# Altium PCB Slave.PcbDoc (part 6 of 10)
Units mm, origin at the board's own origin, x right, y up, seen from the top; angles counter-clockwise.
Board outline 380 x 63 mm, 4 copper layers (Top Copper, Signal Layer 1, Signal Layer 2, Bottom Copper), stack 1.586 mm thick; 259 components, 195 nets, 816 pads, 23336 vias.
Unrouted connection lines stored in the file: 47.
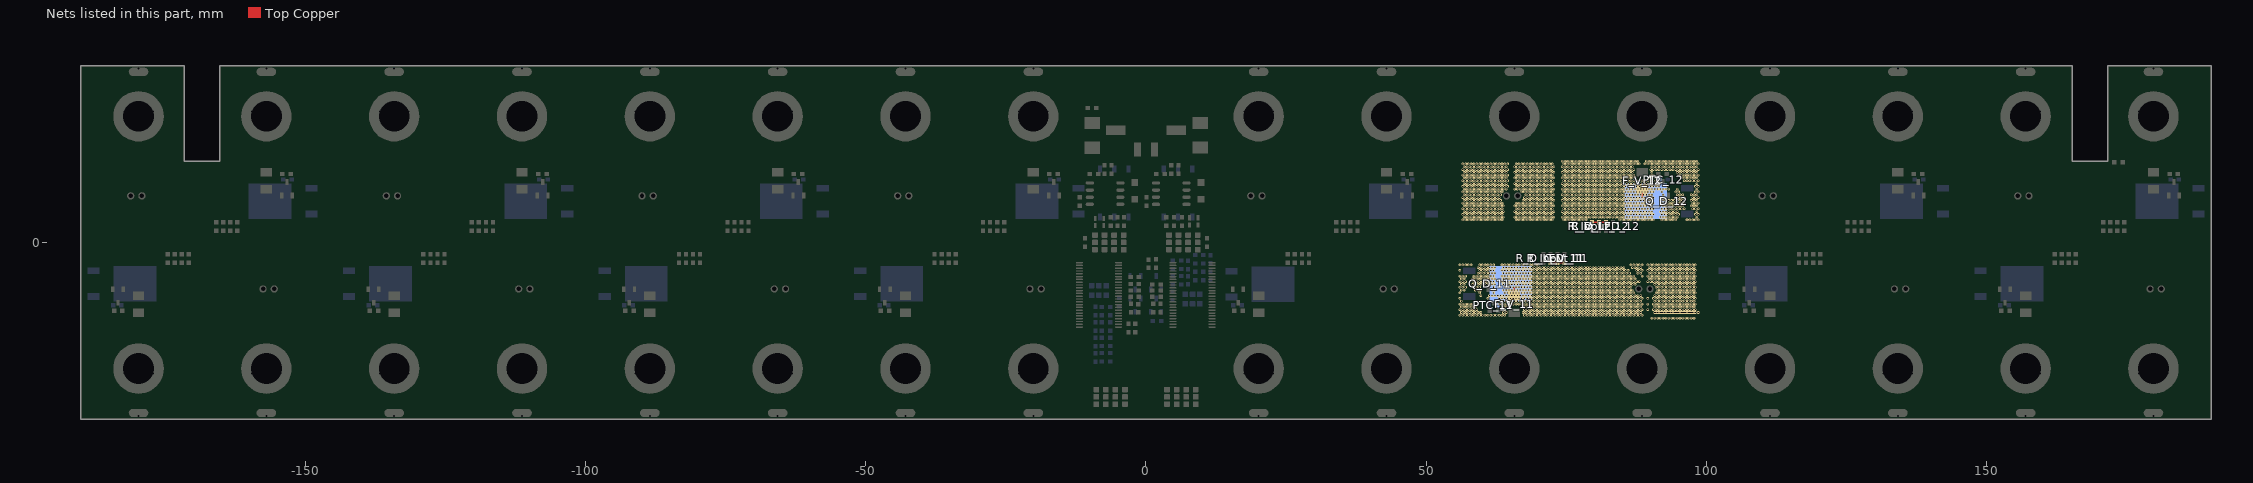
[diagram p8: the nets of this part, all layers, seen from the top]

## Via types
v1: diameter 0.45, hole 0.2, Top Copper to Bottom Copper, tented both sides, 23076 vias
v2: diameter 0.45, hole 0.2, Top Copper to Bottom Copper, 250 vias
v3: diameter 1.2, hole 0.8, Top Copper to Bottom Copper, 10 vias

## Nets (pads, with @x,y where several pads share a name; then routed paths per layer and width w, separated by ;. In a path a pad name is that pad's centre, name@x,y a point inside that pad or via, vN(x,y) a via of type N, cw(c..) or ccw(c..) an arc to the next point about the centre after c; other vN are vias at no path point) (continued)
F_11: C_V_11.2 F_V_11.2 PTC_11.2 Q_D_11.2 R_D_LED_11.2 R_Input_11.1 | length 3.9
  Top Copper w0.254: R_D_LED_11.2@72.15,-3.6 R_Input_11.1@73.4,-3.6 C_V_11.2@74.65,-3.6
  Top Copper w0.305: F_V_11.2@65.675,-9.48 v1@65.675,-8.1
  other v1: 90.249,-13.5 90.749,-13.5 91.249,-13.5 91.749,-13.5 92.249,-13.5 92.749,-13.5 93.249,-13.5 93.749,-13.5 94.249,-13.5 94.749,-13.5 95.249,-13.5 95.749,-13.5 96.249,-13.5 96.749,-13.5 97.249,-13.5 97.749,-13.5 55.999,-13 56.499,-13 56.999,-13 57.499,-13 57.999,-13 58.499,-13 58.999,-13 59.499,-13 59.999,-13 60.499,-13 60.999,-13 61.499,-13 61.999,-13 62.499,-13 62.999,-13 63.499,-13 63.999,-13 67.499,-13 67.999,-13 68.499,-13 68.999,-13 69.499,-13 69.999,-13 70.499,-13 70.999,-13 71.499,-13 71.999,-13 72.499,-13 72.999,-13 73.499,-13 73.999,-13 74.499,-13 74.999,-13 75.499,-13 75.999,-13 76.499,-13 76.999,-13 77.499,-13 77.999,-13 78.499,-13 78.999,-13 79.499,-13 79.999,-13 80.499,-13 80.999,-13 81.499,-13 81.999,-13 82.499,-13 82.999,-13 83.499,-13 83.999,-13 84.499,-13 84.999,-13 85.499,-13 85.999,-13 86.499,-13 86.999,-13 87.499,-13 87.999,-13 88.499,-13 56.249,-12.5 56.749,-12.5 57.249,-12.5 57.749,-12.5 58.249,-12.5 58.749,-12.5 59.249,-12.5 59.749,-12.5 63.749,-12.5 64.249,-12.5 67.249,-12.5 67.749,-12.5 68.249,-12.5 68.749,-12.5 69.249,-12.5 69.749,-12.5 70.249,-12.5 70.749,-12.5 71.249,-12.5 71.749,-12.5 72.249,-12.5 72.749,-12.5 73.249,-12.5 73.749,-12.5 74.249,-12.5 74.749,-12.5 75.249,-12.5 75.749,-12.5 76.249,-12.5 76.749,-12.5 77.249,-12.5 77.749,-12.5 78.249,-12.5 78.749,-12.5 79.249,-12.5 79.749,-12.5 80.249,-12.5 80.749,-12.5 81.249,-12.5 81.749,-12.5 82.249,-12.5 82.749,-12.5 83.249,-12.5 83.749,-12.5 84.249,-12.5 84.749,-12.5 85.249,-12.5 85.749,-12.5 86.249,-12.5 86.749,-12.5 87.249,-12.5 87.749,-12.5 88.249,-12.5 90.749,-12.5 91,-12.5 91.249,-12.5 91.5,-12.5 91.749,-12.5 92,-12.5 92.249,-12.5 92.5,-12.5 92.749,-12.5 93,-12.5 93.249,-12.5 93.5,-12.5 93.749,-12.5 94,-12.5 94.249,-12.5 94.5,-12.5 94.749,-12.5 95,-12.5 95.249,-12.5 95.5,-12.5 95.749,-12.5 96,-12.5 96.249,-12.5 96.5,-12.5 96.749,-12.5 97,-12.5 97.249,-12.5 97.5,-12.5 97.749,-12.5 98,-12.5 98.5,-12.5 55.999,-12 56.499,-12 56.999,-12 57.499,-12 57.999,-12 58.499,-12 58.999,-12 63.999,-12 67.499,-12 67.999,-12 68.499,-12 68.999,-12 69.499,-12 69.999,-12 70.499,-12 70.999,-12 71.499,-12 71.999,-12 72.499,-12 72.999,-12 73.499,-12 73.999,-12 74.499,-12 74.999,-12 75.499,-12 75.999,-12 76.499,-12 76.999,-12 77.499,-12 77.999,-12 78.499,-12 78.999,-12 79.499,-12 79.999,-12 80.499,-12 80.999,-12 81.499,-12 81.999,-12 82.499,-12 82.999,-12 83.499,-12 83.999,-12 84.499,-12 84.999,-12 85.499,-12 85.999,-12 86.499,-12 86.999,-12 87.499,-12 87.999,-12 88.499,-12 89.499,-12 90.499,-12 90.999,-12 91.499,-12 91.999,-12 92.499,-12 92.999,-12 93.499,-12 93.999,-12 94.499,-12 94.999,-12 95.499,-12 95.999,-12 96.499,-12 96.999,-12 97.499,-12 97.999,-12 56.249,-11.5 56.749,-11.5 57.249,-11.5 57.749,-11.5 58.249,-11.5 58.749,-11.5 63.749,-11.5 64.249,-11.5 67.249,-11.5 67.749,-11.5 68.249,-11.5 68.749,-11.5 69.249,-11.5 69.749,-11.5 70.249,-11.5 70.749,-11.5 71.249,-11.5 71.749,-11.5 72.249,-11.5 72.749,-11.5 73.249,-11.5 73.749,-11.5 74.249,-11.5 74.749,-11.5 75.249,-11.5 75.749,-11.5 76.249,-11.5 76.749,-11.5 77.249,-11.5 77.749,-11.5 78.249,-11.5 78.749,-11.5 79.249,-11.5 79.749,-11.5 80.249,-11.5 80.749,-11.5 81.249,-11.5 81.749,-11.5 82.249,-11.5 82.749,-11.5 83.249,-11.5 83.749,-11.5 84.249,-11.5 84.749,-11.5 85.249,-11.5 85.749,-11.5 86.249,-11.5 86.749,-11.5 87.249,-11.5 87.749,-11.5 88.249,-11.5 90.749,-11.5 91.249,-11.5 91.749,-11.5 92.249,-11.5 92.749,-11.5 93.249,-11.5 93.749,-11.5 94.249,-11.5 94.749,-11.5 95.249,-11.5 95.749,-11.5 96.249,-11.5 96.749,-11.5 97.249,-11.5 97.749,-11.5 55.999,-11 56.499,-11 56.999,-11 57.499,-11 57.999,-11 62.999,-11 63.499,-11 63.999,-11 64.499,-11 64.999,-11 65.499,-11 65.999,-11 66.499,-11 66.999,-11 67.499,-11 67.999,-11 68.499,-11 68.999,-11 69.499,-11 69.999,-11 70.499,-11 70.999,-11 71.499,-11 71.999,-11 72.499,-11 72.999,-11 73.499,-11 73.999,-11 74.499,-11 74.999,-11 75.499,-11 75.999,-11 76.499,-11 76.999,-11 77.499,-11 77.999,-11 78.499,-11 78.999,-11 79.499,-11 79.999,-11 80.499,-11 80.999,-11 81.499,-11 81.999,-11 82.499,-11 82.999,-11 83.499,-11 83.999,-11 84.499,-11 84.999,-11 85.499,-11 85.999,-11 86.499,-11 86.999,-11 87.499,-11 87.999,-11 88.499,-11 89.499,-11 90.499,-11 90.999,-11 91.499,-11 91.999,-11 92.499,-11 92.999,-11 93.499,-11 93.999,-11 94.499,-11 94.999,-11 95.499,-11 95.999,-11 96.499,-11 96.999,-11 97.499,-11 97.999,-11 56.249,-10.5 62.749,-10.5 63.249,-10.5 63.749,-10.5 64.249,-10.5 64.749,-10.5 65.249,-10.5 65.749,-10.5 66.249,-10.5 66.749,-10.5 67.249,-10.5 67.749,-10.5 68.249,-10.5 68.749,-10.5 69.249,-10.5 69.749,-10.5 70.249,-10.5 70.749,-10.5 71.249,-10.5 71.749,-10.5 72.249,-10.5 72.749,-10.5 73.249,-10.5 73.749,-10.5 74.249,-10.5 74.749,-10.5 75.249,-10.5 75.749,-10.5 76.249,-10.5 76.749,-10.5 77.249,-10.5 77.749,-10.5 78.249,-10.5 78.749,-10.5 79.249,-10.5 79.749,-10.5 80.249,-10.5 80.749,-10.5 81.249,-10.5 81.749,-10.5 82.249,-10.5 82.749,-10.5 83.249,-10.5 83.749,-10.5 84.249,-10.5 84.749,-10.5 85.249,-10.5 85.749,-10.5 86.249,-10.5 86.749,-10.5 87.249,-10.5 87.749,-10.5 88.249,-10.5 90.749,-10.5 91.249,-10.5 91.749,-10.5 92.249,-10.5 92.749,-10.5 93.249,-10.5 93.749,-10.5 94.249,-10.5 94.749,-10.5 95.249,-10.5 95.749,-10.5 96.249,-10.5 96.749,-10.5 97.249,-10.5 97.749,-10.5 55.999,-10 60.999,-10 62.999,-10 63.499,-10 63.999,-10 64.499,-10 64.999,-10 65.499,-10 65.999,-10 66.499,-10 66.999,-10 67.499,-10 67.999,-10 68.499,-10 68.999,-10 69.499,-10 69.999,-10 70.499,-10 70.999,-10 71.499,-10 71.999,-10 72.499,-10 72.999,-10 73.499,-10 73.999,-10 74.499,-10 74.999,-10 75.499,-10 75.999,-10 76.499,-10 76.999,-10 77.499,-10 77.999,-10 78.499,-10 78.999,-10 79.499,-10 79.999,-10 80.499,-10 80.999,-10 81.499,-10 81.999,-10 82.499,-10 82.999,-10 83.499,-10 83.999,-10 84.499,-10 84.999,-10 85.499,-10 85.999,-10 86.499,-10 86.999,-10 87.499,-10 87.999,-10 88.499,-10 89.499,-10 90.499,-10 90.999,-10 91.499,-10 91.999,-10 92.499,-10 92.999,-10 93.499,-10 93.999,-10 94.499,-10 94.999,-10 95.499,-10 95.999,-10 96.499,-10 96.999,-10 97.499,-10 97.999,-10 59.749,-9.5 61.249,-9.5 61.749,-9.5 62.249,-9.5 62.749,-9.5 63.249,-9.5 63.749,-9.5 64.249,-9.5 64.749,-9.5 65.249,-9.5 65.749,-9.5 66.249,-9.5 66.749,-9.5 67.249,-9.5 67.749,-9.5 68.249,-9.5 68.749,-9.5 69.249,-9.5 69.749,-9.5 70.249,-9.5 70.749,-9.5 71.249,-9.5 71.749,-9.5 72.249,-9.5 72.749,-9.5 73.249,-9.5 73.749,-9.5 74.249,-9.5 74.749,-9.5 75.249,-9.5 75.749,-9.5 76.249,-9.5 76.749,-9.5 77.249,-9.5 77.749,-9.5 78.249,-9.5 78.749,-9.5 79.249,-9.5 79.749,-9.5 80.249,-9.5 80.749,-9.5 81.249,-9.5 81.749,-9.5 82.249,-9.5 82.749,-9.5 83.249,-9.5 83.749,-9.5 84.249,-9.5 84.749,-9.5 85.249,-9.5 85.749,-9.5 86.249,-9.5 86.749,-9.5 87.249,-9.5 87.749,-9.5 88.249,-9.5 90.749,-9.5 91.249,-9.5 91.749,-9.5 92.249,-9.5 92.749,-9.5 93.249,-9.5 93.749,-9.5 94.249,-9.5 94.749,-9.5 95.249,-9.5 95.749,-9.5 96.249,-9.5 96.749,-9.5 97.249,-9.5 97.749,-9.5 55.999,-9 59.499,-9 61.999,-9 63.999,-9 64.499,-9 64.999,-9 65.499,-9 65.999,-9 66.499,-9 66.999,-9 67.499,-9 67.999,-9 68.499,-9 68.999,-9 69.499,-9 69.999,-9 70.499,-9 70.999,-9 71.499,-9 71.999,-9 72.499,-9 72.999,-9 73.499,-9 73.999,-9 74.499,-9 74.999,-9 75.499,-9 75.999,-9 76.499,-9 76.999,-9 77.499,-9 77.999,-9 78.499,-9 78.999,-9 79.499,-9 79.999,-9 80.499,-9 80.999,-9 81.499,-9 81.999,-9 82.499,-9 82.999,-9 83.499,-9 83.999,-9 84.499,-9 84.999,-9 85.499,-9 85.999,-9 86.499,-9 86.999,-9 90.999,-9 91.499,-9 91.999,-9 92.499,-9 92.999,-9 93.499,-9 93.999,-9 94.499,-9 94.999,-9 95.499,-9 95.999,-9 96.499,-9 96.999,-9 97.499,-9 97.999,-9 56.249,-8.5 56.749,-8.5 58.749,-8.5 59.249,-8.5 59.749,-8.5 61.749,-8.5 62.249,-8.5 63.749,-8.5 64.249,-8.5 64.749,-8.5 65.249,-8.5 65.749,-8.5 66.249,-8.5 66.749,-8.5 67.249,-8.5 67.749,-8.5 68.249,-8.5 68.749,-8.5 69.249,-8.5 69.749,-8.5 70.249,-8.5 70.749,-8.5 71.249,-8.5 71.749,-8.5 72.249,-8.5 72.749,-8.5 73.249,-8.5 73.749,-8.5 74.249,-8.5 74.749,-8.5 75.249,-8.5 75.749,-8.5 76.249,-8.5 76.749,-8.5 77.249,-8.5 77.749,-8.5 78.249,-8.5 78.749,-8.5 79.249,-8.5 79.749,-8.5 80.249,-8.5 80.749,-8.5 81.249,-8.5 81.749,-8.5 82.249,-8.5 82.749,-8.5 83.249,-8.5 83.749,-8.5 84.249,-8.5 84.749,-8.5 85.249,-8.5 85.749,-8.5 86.249,-8.5 86.749,-8.5 91.249,-8.5 91.749,-8.5 92.249,-8.5 92.749,-8.5 93.249,-8.5 93.749,-8.5 94.249,-8.5 94.749,-8.5 95.249,-8.5 95.749,-8.5 96.249,-8.5 96.749,-8.5 97.249,-8.5 97.749,-8.5 55.999,-8 56.499,-8 56.999,-8 58.499,-8 58.999,-8 59.499,-8 61.999,-8 63.999,-8 64.499,-8 64.999,-8 65.499,-8 65.999,-8 66.499,-8 66.999,-8 67.499,-8 67.999,-8 68.499,-8 68.999,-8 69.499,-8 69.999,-8 70.499,-8 70.999,-8 71.499,-8 71.999,-8 72.499,-8 72.999,-8 73.499,-8 73.999,-8 74.499,-8 74.999,-8 75.499,-8 75.999,-8 76.499,-8 76.999,-8 77.499,-8 77.999,-8 78.499,-8 78.999,-8 79.499,-8 79.999,-8 80.499,-8 80.999,-8 81.499,-8 81.999,-8 82.499,-8 82.999,-8 83.499,-8 83.999,-8 84.499,-8 84.999,-8 85.499,-8 85.999,-8 86.499,-8 90.999,-8 91.499,-8 91.999,-8 92.499,-8 92.999,-8 93.499,-8 93.999,-8 94.499,-8 94.999,-8 95.499,-8 95.999,-8 96.499,-8 96.999,-8 97.499,-8 97.999,-8 56.249,-7.5 56.749,-7.5 58.249,-7.5 58.749,-7.5 59.249,-7.5 59.749,-7.5 60.249,-7.5 60.749,-7.5 61.249,-7.5 61.749,-7.5 62.249,-7.5 63.749,-7.5 64.249,-7.5 64.749,-7.5 65.249,-7.5 65.749,-7.5 66.249,-7.5 66.749,-7.5 67.249,-7.5 67.749,-7.5 68.249,-7.5 68.749,-7.5 69.249,-7.5 69.749,-7.5 70.249,-7.5 70.749,-7.5 71.249,-7.5 71.749,-7.5 72.249,-7.5 72.749,-7.5 73.249,-7.5 73.749,-7.5 74.249,-7.5 74.749,-7.5 75.249,-7.5 75.749,-7.5 76.249,-7.5 76.749,-7.5 77.249,-7.5 77.749,-7.5 78.249,-7.5 78.749,-7.5 79.249,-7.5 79.749,-7.5 80.249,-7.5 80.749,-7.5 81.249,-7.5 81.749,-7.5 82.249,-7.5 82.749,-7.5 83.249,-7.5 83.749,-7.5 84.249,-7.5 84.749,-7.5 85.249,-7.5 85.749,-7.5 86.249,-7.5 86.749,-7.5 87.249,-7.5 90.749,-7.5 91.249,-7.5 91.749,-7.5 92.249,-7.5 92.749,-7.5 93.249,-7.5 93.749,-7.5 94.249,-7.5 94.749,-7.5 95.249,-7.5 95.749,-7.5 96.249,-7.5 96.749,-7.5 97.249,-7.5 97.749,-7.5 55.999,-7 56.499,-7 56.999,-7 58.499,-7 58.999,-7 59.499,-7 59.999,-7 60.499,-7 60.999,-7 61.499,-7 61.999,-7 63.499,-7 63.999,-7 64.499,-7 64.999,-7 65.499,-7 65.999,-7 66.499,-7 66.999,-7 67.499,-7 67.999,-7 68.499,-7 68.999,-7 69.499,-7 69.999,-7 70.499,-7 70.999,-7 71.499,-7 71.999,-7 72.499,-7 72.999,-7 73.499,-7 73.999,-7 74.499,-7 74.999,-7 75.499,-7 75.999,-7 76.499,-7 76.999,-7 77.499,-7 77.999,-7 78.499,-7 78.999,-7 79.499,-7 79.999,-7 80.499,-7 80.999,-7 81.499,-7 81.999,-7 82.499,-7 82.999,-7 83.499,-7 83.999,-7 84.499,-7 84.999,-7 85.499,-7 85.999,-7 86.499,-7 86.999,-7 87.499,-7 87.999,-7 89.499,-7 89.999,-7 90.499,-7 90.999,-7 91.499,-7 91.999,-7 92.499,-7 92.999,-7 93.499,-7 93.999,-7 94.499,-7 94.999,-7 95.499,-7 95.999,-7 96.499,-7 96.999,-7 97.499,-7 97.999,-7 56.249,-6.5 56.749,-6.5 58.249,-6.5 58.749,-6.5 59.249,-6.5 59.749,-6.5 60.249,-6.5 60.749,-6.5 61.249,-6.5 61.749,-6.5 62.249,-6.5 63.749,-6.5 64.249,-6.5 64.749,-6.5 65.249,-6.5 65.749,-6.5 66.249,-6.5 66.749,-6.5 67.249,-6.5 67.749,-6.5 68.249,-6.5 68.749,-6.5 69.249,-6.5 69.749,-6.5 70.249,-6.5 70.749,-6.5 71.249,-6.5 71.749,-6.5 72.249,-6.5 72.749,-6.5 73.249,-6.5 73.749,-6.5 74.249,-6.5 74.749,-6.5 75.249,-6.5 75.749,-6.5 76.249,-6.5 76.749,-6.5 77.249,-6.5 77.749,-6.5 78.249,-6.5 78.749,-6.5 79.249,-6.5 79.749,-6.5 80.249,-6.5 80.749,-6.5 81.249,-6.5 81.749,-6.5 82.249,-6.5 82.749,-6.5 83.249,-6.5 83.749,-6.5 84.249,-6.5 84.749,-6.5 85.249,-6.5 85.749,-6.5 86.249,-6.5 86.749,-6.5 87.249,-6.5 89.749,-6.5 90.249,-6.5 90.749,-6.5 91.249,-6.5 91.749,-6.5 92.249,-6.5 92.749,-6.5 93.249,-6.5 93.749,-6.5 94.249,-6.5 94.749,-6.5 95.249,-6.5 95.749,-6.5 96.249,-6.5 96.749,-6.5 97.249,-6.5 97.749,-6.5 55.999,-6 56.499,-6 56.999,-6 58.499,-6 58.999,-6 59.499,-6 59.999,-6 60.499,-6 60.999,-6 61.499,-6 61.999,-6 63.499,-6 63.999,-6 64.499,-6 64.999,-6 65.499,-6 65.999,-6 66.499,-6 66.999,-6 67.499,-6 67.999,-6 68.499,-6 68.999,-6 69.499,-6 69.999,-6 70.499,-6 70.999,-6 71.499,-6 71.999,-6 72.499,-6 72.999,-6 73.499,-6 73.999,-6 74.499,-6 74.999,-6 75.499,-6 75.999,-6 76.499,-6 76.999,-6 77.499,-6 77.999,-6 78.499,-6 78.999,-6 79.499,-6 79.999,-6 80.499,-6 80.999,-6 81.499,-6 81.999,-6 82.499,-6 82.999,-6 83.499,-6 83.999,-6 84.499,-6 84.999,-6 85.499,-6 85.999,-6 86.499,-6 86.999,-6 88.499,-6 89.499,-6 89.999,-6 90.499,-6 90.999,-6 91.499,-6 91.999,-6 92.499,-6 92.999,-6 93.499,-6 93.999,-6 94.499,-6 94.999,-6 95.499,-6 95.999,-6 96.499,-6 96.999,-6 97.499,-6 97.999,-6 59.249,-5.5 59.749,-5.5 60.249,-5.5 60.749,-5.5 61.249,-5.5 61.749,-5.5 62.249,-5.5 63.749,-5.5 64.249,-5.5 64.749,-5.5 65.249,-5.5 65.749,-5.5 66.249,-5.5 66.749,-5.5 67.249,-5.5 67.749,-5.5 68.249,-5.5 68.749,-5.5 69.249,-5.5 69.749,-5.5 70.249,-5.5 70.749,-5.5 71.249,-5.5 71.749,-5.5 72.249,-5.5 72.749,-5.5 73.249,-5.5 73.749,-5.5 74.249,-5.5 74.749,-5.5 75.249,-5.5 75.749,-5.5 76.249,-5.5 76.749,-5.5 77.249,-5.5 77.749,-5.5 78.249,-5.5 78.749,-5.5 79.249,-5.5 79.749,-5.5 80.249,-5.5 80.749,-5.5 81.249,-5.5 81.749,-5.5 82.249,-5.5 82.749,-5.5 83.249,-5.5 83.749,-5.5 84.249,-5.5 84.749,-5.5 85.249,-5.5 85.749,-5.5 86.249,-5.5 87.749,-5.5 88.249,-5.5 89.749,-5.5 90.249,-5.5 90.749,-5.5 91.249,-5.5 91.749,-5.5 92.249,-5.5 92.749,-5.5 93.249,-5.5 93.749,-5.5 94.249,-5.5 94.749,-5.5 95.249,-5.5 95.749,-5.5 96.249,-5.5 96.749,-5.5 97.249,-5.5 97.749,-5.5 55.999,-5 59.499,-5 59.999,-5 60.499,-5 60.999,-5 61.499,-5 61.999,-5 63.499,-5 63.999,-5 64.499,-5 64.999,-5 65.499,-5 65.999,-5 66.499,-5 66.999,-5 67.499,-5 67.999,-5 68.499,-5 68.999,-5 69.499,-5 69.999,-5 70.499,-5 70.999,-5 71.499,-5 71.999,-5 72.499,-5 72.999,-5 73.499,-5 73.999,-5 74.499,-5 74.999,-5 75.499,-5 75.999,-5 76.499,-5 76.999,-5 77.499,-5 77.999,-5 78.499,-5 78.999,-5 79.499,-5 79.999,-5 80.499,-5 80.999,-5 81.499,-5 81.999,-5 82.499,-5 82.999,-5 83.499,-5 83.999,-5 84.499,-5 84.999,-5 85.499,-5 85.999,-5 87.499,-5 87.999,-5 88.499,-5 89.499,-5 89.999,-5 90.499,-5 90.999,-5 91.499,-5 91.999,-5 92.499,-5 92.999,-5 93.499,-5 93.999,-5 94.499,-5 94.999,-5 95.499,-5 95.999,-5 96.499,-5 96.999,-5 97.499,-5 97.999,-5 59.249,-4.5 59.749,-4.5 60.249,-4.5 60.749,-4.5 61.249,-4.5 61.749,-4.5 62.249,-4.5 63.749,-4.5 64.249,-4.5 64.749,-4.5 65.249,-4.5 65.749,-4.5 66.249,-4.5 66.749,-4.5 67.249,-4.5 67.749,-4.5 68.249,-4.5 68.749,-4.5 69.249,-4.5 69.749,-4.5 70.249,-4.5 70.749,-4.5 71.249,-4.5 71.749,-4.5 72.249,-4.5 72.749,-4.5 73.249,-4.5 73.749,-4.5 74.249,-4.5 74.749,-4.5 75.249,-4.5 75.749,-4.5 76.249,-4.5 76.749,-4.5 77.249,-4.5 77.749,-4.5 78.249,-4.5 78.749,-4.5 79.249,-4.5 79.749,-4.5 80.249,-4.5 80.749,-4.5 81.249,-4.5 81.749,-4.5 82.249,-4.5 82.749,-4.5 83.249,-4.5 83.749,-4.5 84.249,-4.5 84.749,-4.5 85.249,-4.5 86.749,-4.5 87.249,-4.5 87.749,-4.5 88.249,-4.5 89.749,-4.5 90.249,-4.5 90.749,-4.5 91.249,-4.5 91.749,-4.5 92.249,-4.5 92.749,-4.5 93.249,-4.5 93.749,-4.5 94.249,-4.5 94.749,-4.5 95.249,-4.5 95.749,-4.5 96.249,-4.5 96.749,-4.5 97.249,-4.5 97.749,-4.5 55.999,-4 56.499,-4 56.999,-4 57.499,-4 57.999,-4 59.499,-4 59.999,-4 60.499,-4 60.999,-4 61.499,-4 61.999,-4 63.499,-4 63.999,-4 64.499,-4 64.999,-4 65.499,-4 65.999,-4 66.499,-4 66.999,-4 67.499,-4 67.999,-4 68.499,-4 68.999,-4 69.499,-4 69.999,-4 86.499,-4 86.999,-4 87.499,-4 87.999,-4 88.499,-4 89.499,-4 89.999,-4 90.499,-4 90.999,-4 91.499,-4 91.999,-4 92.499,-4 92.999,-4 93.499,-4 93.999,-4 94.499,-4 94.999,-4 95.499,-4 95.999,-4 96.499,-4 96.999,-4 97.499,-4 97.999,-4
F_12: C_V_12.2 F_V_12.2 PTC_12.2 Q_D_12.2 R_D_LED_12.2 R_Input_12.1 | length 3.9
  Top Copper w0.254: C_V_12.2@79.55,3.6 R_Input_12.1@80.8,3.6 R_D_LED_12.2@82.05,3.6
  Top Copper w0.305: v1@88.525,8.1 F_V_12.2@88.525,9.48
  other v1: 56.499,4 56.999,4 57.499,4 57.999,4 58.499,4 58.999,4 59.499,4 59.999,4 60.499,4 60.999,4 61.499,4 61.999,4 62.499,4 62.999,4 63.499,4 65.999,4 66.499,4 66.999,4 67.499,4 67.999,4 68.499,4 68.999,4 69.499,4 69.999,4 70.499,4 70.999,4 71.499,4 71.999,4 72.499,4 74.499,4 74.999,4 75.499,4 75.999,4 76.499,4 76.999,4 77.499,4 77.999,4 78.499,4 84.499,4 84.999,4 85.499,4 85.999,4 86.499,4 86.999,4 87.499,4 87.999,4 88.499,4 88.999,4 89.499,4 89.999,4 90.499,4 91.999,4 92.499,4 92.999,4 93.499,4 93.999,4 94.499,4 96.499,4 96.999,4 97.499,4 97.999,4 98.499,4 56.749,4.5 57.249,4.5 57.749,4.5 58.249,4.5 58.749,4.5 59.249,4.5 59.749,4.5 60.249,4.5 60.749,4.5 61.249,4.5 61.749,4.5 62.249,4.5 62.749,4.5 63.249,4.5 63.749,4.5 65.749,4.5 66.249,4.5 66.749,4.5 67.249,4.5 67.749,4.5 68.249,4.5 68.749,4.5 69.249,4.5 69.749,4.5 70.249,4.5 70.749,4.5 71.249,4.5 71.749,4.5 72.249,4.5 72.749,4.5 74.249,4.5 74.749,4.5 75.249,4.5 75.749,4.5 76.249,4.5 76.749,4.5 77.249,4.5 77.749,4.5 78.249,4.5 78.749,4.5 79.249,4.5 79.749,4.5 80.249,4.5 80.749,4.5 81.249,4.5 81.749,4.5 82.249,4.5 82.749,4.5 83.249,4.5 83.749,4.5 84.249,4.5 84.749,4.5 85.249,4.5 85.749,4.5 86.249,4.5 86.749,4.5 87.249,4.5 87.749,4.5 88.249,4.5 88.749,4.5 89.249,4.5 89.749,4.5 90.249,4.5 91.749,4.5 92.249,4.5 92.749,4.5 93.249,4.5 93.749,4.5 94.249,4.5 94.749,4.5 98.249,4.5 56.499,5 56.999,5 57.499,5 57.999,5 58.499,5 58.999,5 59.499,5 59.999,5 60.499,5 60.999,5 61.499,5 61.999,5 62.499,5 62.999,5 63.499,5 65.999,5 66.499,5 66.999,5 67.499,5 67.999,5 68.499,5 68.999,5 69.499,5 69.999,5 70.499,5 70.999,5 71.499,5 71.999,5 72.499,5 74.499,5 74.999,5 75.499,5 75.999,5 76.499,5 76.999,5 77.499,5 77.999,5 78.499,5 78.999,5 79.499,5 79.999,5 80.499,5 80.999,5 81.499,5 81.999,5 82.499,5 82.999,5 83.499,5 83.999,5 84.499,5 84.999,5 85.499,5 85.999,5 86.499,5 86.999,5 87.499,5 87.999,5 88.499,5 88.999,5 89.499,5 89.999,5 90.499,5 91.999,5 92.499,5 92.999,5 93.499,5 93.999,5 94.499,5 94.999,5 97.999,5 98.499,5 56.749,5.5 57.249,5.5 57.749,5.5 58.249,5.5 58.749,5.5 59.249,5.5 59.749,5.5 60.249,5.5 60.749,5.5 61.249,5.5 61.749,5.5 62.249,5.5 62.749,5.5 63.249,5.5 63.749,5.5 65.749,5.5 66.249,5.5 66.749,5.5 67.249,5.5 67.749,5.5 68.249,5.5 68.749,5.5 69.249,5.5 69.749,5.5 70.249,5.5 70.749,5.5 71.249,5.5 71.749,5.5 72.249,5.5 72.749,5.5 74.249,5.5 74.749,5.5 75.249,5.5 75.749,5.5 76.249,5.5 76.749,5.5 77.249,5.5 77.749,5.5 78.249,5.5 78.749,5.5 79.249,5.5 79.749,5.5 80.249,5.5 80.749,5.5 81.249,5.5 81.749,5.5 82.249,5.5 82.749,5.5 83.249,5.5 83.749,5.5 84.249,5.5 84.749,5.5 85.249,5.5 85.749,5.5 86.249,5.5 86.749,5.5 87.249,5.5 87.749,5.5 88.249,5.5 88.749,5.5 89.249,5.5 89.749,5.5 90.249,5.5 91.749,5.5 92.249,5.5 92.749,5.5 93.249,5.5 93.749,5.5 94.249,5.5 94.749,5.5 98.249,5.5 56.499,6 56.999,6 57.499,6 57.999,6 58.499,6 58.999,6 59.499,6 59.999,6 60.499,6 60.999,6 61.499,6 61.999,6 62.499,6 62.999,6 63.499,6 65.999,6 66.499,6 66.999,6 67.499,6 67.999,6 68.499,6 68.999,6 69.499,6 69.999,6 70.499,6 70.999,6 71.499,6 71.999,6 72.499,6 74.499,6 74.999,6 75.499,6 75.999,6 76.499,6 76.999,6 77.499,6 77.999,6 78.499,6 78.999,6 79.499,6 79.999,6 80.499,6 80.999,6 81.499,6 81.999,6 82.499,6 82.999,6 83.499,6 83.999,6 84.499,6 84.999,6 85.499,6 85.999,6 86.499,6 86.999,6 87.499,6 87.999,6 88.499,6 88.999,6 89.499,6 89.999,6 90.499,6 91.999,6 92.499,6 92.999,6 93.499,6 93.999,6 94.499,6 94.999,6 95.499,6 95.999,6 97.499,6 97.999,6 98.499,6 56.749,6.5 57.249,6.5 57.749,6.5 58.249,6.5 58.749,6.5 59.249,6.5 59.749,6.5 60.249,6.5 60.749,6.5 61.249,6.5 61.749,6.5 62.249,6.5 62.749,6.5 63.249,6.5 63.749,6.5 65.749,6.5 66.249,6.5 66.749,6.5 67.249,6.5 67.749,6.5 68.249,6.5 68.749,6.5 69.249,6.5 69.749,6.5 70.249,6.5 70.749,6.5 71.249,6.5 71.749,6.5 72.249,6.5 72.749,6.5 74.249,6.5 74.749,6.5 75.249,6.5 75.749,6.5 76.249,6.5 76.749,6.5 77.249,6.5 77.749,6.5 78.249,6.5 78.749,6.5 79.249,6.5 79.749,6.5 80.249,6.5 80.749,6.5 81.249,6.5 81.749,6.5 82.249,6.5 82.749,6.5 83.249,6.5 83.749,6.5 84.249,6.5 84.749,6.5 85.249,6.5 85.749,6.5 86.249,6.5 86.749,6.5 87.249,6.5 87.749,6.5 88.249,6.5 88.749,6.5 89.249,6.5 89.749,6.5 90.249,6.5 91.749,6.5 92.249,6.5 92.749,6.5 93.249,6.5 93.749,6.5 94.249,6.5 94.749,6.5 95.249,6.5 95.749,6.5 97.249,6.5 97.749,6.5 98.249,6.5 56.499,7 56.999,7 57.499,7 57.999,7 58.499,7 58.999,7 59.499,7 59.999,7 60.499,7 60.999,7 61.499,7 61.999,7 62.499,7 62.999,7 63.499,7 65.999,7 66.499,7 66.999,7 67.499,7 67.999,7 68.499,7 68.999,7 69.499,7 69.999,7 70.499,7 70.999,7 71.499,7 71.999,7 72.499,7 74.499,7 74.999,7 75.499,7 75.999,7 76.499,7 76.999,7 77.499,7 77.999,7 78.499,7 78.999,7 79.499,7 79.999,7 80.499,7 80.999,7 81.499,7 81.999,7 82.499,7 82.999,7 83.499,7 83.999,7 84.499,7 84.999,7 85.499,7 85.999,7 86.499,7 86.999,7 87.499,7 87.999,7 88.499,7 88.999,7 89.499,7 89.999,7 90.499,7 91.999,7 92.499,7 92.999,7 93.499,7 93.999,7 94.499,7 94.999,7 95.499,7 95.999,7 97.499,7 97.999,7 98.499,7 56.749,7.5 57.249,7.5 57.749,7.5 58.249,7.5 58.749,7.5 59.249,7.5 59.749,7.5 60.249,7.5 60.749,7.5 61.249,7.5 61.749,7.5 62.249,7.5 62.749,7.5 63.249,7.5 67.249,7.5 67.749,7.5 68.249,7.5 68.749,7.5 69.249,7.5 69.749,7.5 70.249,7.5 70.749,7.5 71.249,7.5 71.749,7.5 72.249,7.5 72.749,7.5 74.249,7.5 74.749,7.5 75.249,7.5 75.749,7.5 76.249,7.5 76.749,7.5 77.249,7.5 77.749,7.5 78.249,7.5 78.749,7.5 79.249,7.5 79.749,7.5 80.249,7.5 80.749,7.5 81.249,7.5 81.749,7.5 82.249,7.5 82.749,7.5 83.249,7.5 83.749,7.5 84.249,7.5 84.749,7.5 85.249,7.5 85.749,7.5 86.249,7.5 86.749,7.5 87.249,7.5 87.749,7.5 88.249,7.5 88.749,7.5 89.249,7.5 89.749,7.5 90.249,7.5 91.749,7.5 92.249,7.5 92.749,7.5 93.249,7.5 93.749,7.5 94.249,7.5 94.749,7.5 95.249,7.5 95.749,7.5 97.249,7.5 97.749,7.5 98.249,7.5 56.499,8 56.999,8 57.499,8 57.999,8 58.499,8 58.999,8 59.499,8 59.999,8 60.499,8 60.999,8 61.499,8 61.999,8 62.499,8 62.999,8 67.499,8 67.999,8 68.499,8 68.999,8 69.499,8 69.999,8 70.499,8 70.999,8 71.499,8 71.999,8 72.499,8 74.499,8 74.999,8 75.499,8 75.999,8 76.499,8 76.999,8 77.499,8 77.999,8 78.499,8 78.999,8 79.499,8 79.999,8 80.499,8 80.999,8 81.499,8 81.999,8 82.499,8 82.999,8 83.499,8 83.999,8 84.499,8 84.999,8 85.499,8 85.999,8 86.499,8 86.999,8 87.499,8 87.999,8 88.499,8 88.999,8 89.499,8 89.999,8 90.499,8 91.999,8 94.499,8 94.999,8 95.499,8 95.999,8 97.499,8 97.999,8 98.499,8 56.749,8.5 57.249,8.5 57.749,8.5 58.249,8.5 58.749,8.5 59.249,8.5 59.749,8.5 60.249,8.5 60.749,8.5 61.249,8.5 61.749,8.5 62.249,8.5 62.749,8.5 63.249,8.5 67.749,8.5 68.249,8.5 68.749,8.5 69.249,8.5 69.749,8.5 70.249,8.5 70.749,8.5 71.249,8.5 71.749,8.5 72.249,8.5 72.749,8.5 74.249,8.5 74.749,8.5 75.249,8.5 75.749,8.5 76.249,8.5 76.749,8.5 77.249,8.5 77.749,8.5 78.249,8.5 78.749,8.5 79.249,8.5 79.749,8.5 80.249,8.5 80.749,8.5 81.249,8.5 81.749,8.5 82.249,8.5 82.749,8.5 83.249,8.5 83.749,8.5 84.249,8.5 84.749,8.5 85.249,8.5 85.749,8.5 86.249,8.5 86.749,8.5 87.249,8.5 87.749,8.5 88.249,8.5 88.749,8.5 89.249,8.5 89.749,8.5 90.249,8.5 92.249,8.5 94.749,8.5 95.249,8.5 95.749,8.5 97.249,8.5 97.749,8.5 98.249,8.5 56.499,9 56.999,9 57.499,9 57.999,9 58.499,9 58.999,9 59.499,9 59.999,9 60.499,9 60.999,9 61.499,9 61.999,9 62.499,9 62.999,9 63.499,9 66.999,9 67.499,9 67.999,9 68.499,9 68.999,9 69.499,9 69.999,9 70.499,9 70.999,9 71.499,9 71.999,9 72.499,9 74.499,9 74.999,9 75.499,9 75.999,9 76.499,9 76.999,9 77.499,9 77.999,9 78.499,9 78.999,9 79.499,9 79.999,9 80.499,9 80.999,9 81.499,9 81.999,9 82.499,9 82.999,9 83.499,9 83.999,9 84.499,9 84.999,9 85.499,9 85.999,9 86.499,9 86.999,9 87.499,9 87.999,9 88.499,9 88.999,9 89.499,9 89.999,9 90.499,9 91.999,9 94.499,9 94.999,9 97.999,9 98.499,9 56.749,9.5 57.249,9.5 57.749,9.5 58.249,9.5 58.749,9.5 59.249,9.5 59.749,9.5 60.249,9.5 60.749,9.5 61.249,9.5 61.749,9.5 62.249,9.5 62.749,9.5 63.249,9.5 63.749,9.5 64.249,9.5 65.749,9.5 66.249,9.5 66.749,9.5 67.249,9.5 67.749,9.5 68.249,9.5 68.749,9.5 69.249,9.5 69.749,9.5 70.249,9.5 70.749,9.5 71.249,9.5 71.749,9.5 72.249,9.5 72.749,9.5 74.249,9.5 74.749,9.5 75.249,9.5 75.749,9.5 76.249,9.5 76.749,9.5 77.249,9.5 77.749,9.5 78.249,9.5 78.749,9.5 79.249,9.5 79.749,9.5 80.249,9.5 80.749,9.5 81.249,9.5 81.749,9.5 82.249,9.5 82.749,9.5 83.249,9.5 83.749,9.5 84.249,9.5 84.749,9.5 85.249,9.5 85.749,9.5 86.249,9.5 86.749,9.5 87.249,9.5 87.749,9.5 88.249,9.5 88.749,9.5 89.249,9.5 89.749,9.5 90.249,9.5 90.749,9.5 91.249,9.5 91.749,9.5 92.249,9.5 92.749,9.5 93.249,9.5 94.749,9.5 98.249,9.5 56.499,10 56.999,10 57.499,10 57.999,10 58.499,10 58.999,10 59.499,10 59.999,10 60.499,10 60.999,10 61.499,10 61.999,10 62.499,10 62.999,10 63.499,10 63.999,10 64.499,10 65.999,10 66.499,10 66.999,10 67.499,10 67.999,10 68.499,10 68.999,10 69.499,10 69.999,10 70.499,10 70.999,10 71.499,10 71.999,10 72.499,10 74.499,10 74.999,10 75.499,10 75.999,10 76.499,10 76.999,10 77.499,10 77.999,10 78.499,10 78.999,10 79.499,10 79.999,10 80.499,10 80.999,10 81.499,10 81.999,10 82.499,10 82.999,10 83.499,10 83.999,10 84.499,10 84.999,10 85.499,10 85.999,10 86.499,10 86.999,10 87.499,10 87.999,10 88.499,10 88.999,10 89.499,10 89.999,10 90.499,10 90.999,10 91.499,10 92.999,10 97.999,10 98.499,10 56.749,10.5 57.249,10.5 57.749,10.5 58.249,10.5 58.749,10.5 59.249,10.5 59.749,10.5 60.249,10.5 60.749,10.5 61.249,10.5 61.749,10.5 62.249,10.5 62.749,10.5 63.249,10.5 63.749,10.5 64.249,10.5 65.749,10.5 66.249,10.5 66.749,10.5 67.249,10.5 67.749,10.5 68.249,10.5 68.749,10.5 69.249,10.5 69.749,10.5 70.249,10.5 70.749,10.5 71.249,10.5 71.749,10.5 72.249,10.5 72.749,10.5 74.249,10.5 74.749,10.5 75.249,10.5 75.749,10.5 76.249,10.5 76.749,10.5 77.249,10.5 77.749,10.5 78.249,10.5 78.749,10.5 79.249,10.5 79.749,10.5 80.249,10.5 80.749,10.5 81.249,10.5 81.749,10.5 82.249,10.5 82.749,10.5 83.249,10.5 83.749,10.5 84.249,10.5 84.749,10.5 85.249,10.5 85.749,10.5 86.249,10.5 86.749,10.5 87.249,10.5 87.749,10.5 88.249,10.5 88.749,10.5 89.249,10.5 89.749,10.5 90.249,10.5 90.749,10.5 91.249,10.5 98.249,10.5 56.499,11 56.999,11 57.499,11 57.999,11 58.499,11 58.999,11 59.499,11 59.999,11 60.499,11 60.999,11 61.499,11 61.999,11 62.499,11 62.999,11 63.499,11 63.999,11 64.499,11 65.999,11 66.499,11 66.999,11 67.499,11 67.999,11 68.499,11 68.999,11 69.499,11 69.999,11 70.499,11 70.999,11 71.499,11 71.999,11 72.499,11 74.499,11 74.999,11 75.499,11 75.999,11 76.499,11 76.999,11 77.499,11 77.999,11 78.499,11 78.999,11 79.499,11 79.999,11 80.499,11 80.999,11 81.499,11 81.999,11 82.499,11 82.999,11 83.499,11 83.999,11 84.499,11 84.999,11 85.499,11 85.999,11 86.499,11 86.999,11 87.499,11 87.999,11 88.499,11 88.999,11 89.499,11 89.999,11 90.499,11 90.999,11 91.499,11 95.999,11 96.499,11 96.999,11 97.499,11 97.999,11 98.499,11 56.749,11.5 57.249,11.5 57.749,11.5 58.249,11.5 58.749,11.5 59.249,11.5 59.749,11.5 60.249,11.5 60.749,11.5 61.249,11.5 61.749,11.5 62.249,11.5 62.749,11.5 63.249,11.5 63.749,11.5 64.249,11.5 65.749,11.5 66.249,11.5 66.749,11.5 67.249,11.5 67.749,11.5 68.249,11.5 68.749,11.5 69.249,11.5 69.749,11.5 70.249,11.5 70.749,11.5 71.249,11.5 71.749,11.5 72.249,11.5 72.749,11.5 74.249,11.5 74.749,11.5 75.249,11.5 75.749,11.5 76.249,11.5 76.749,11.5 77.249,11.5 77.749,11.5 78.249,11.5 78.749,11.5 79.249,11.5 79.749,11.5 80.249,11.5 80.749,11.5 81.249,11.5 81.749,11.5 82.249,11.5 82.749,11.5 83.249,11.5 83.749,11.5 84.249,11.5 84.749,11.5 85.249,11.5 85.749,11.5 86.249,11.5 86.749,11.5 87.249,11.5 89.749,11.5 90.249,11.5 90.749,11.5 95.749,11.5 96.249,11.5 96.749,11.5 97.249,11.5 97.749,11.5 98.249,11.5 56.499,12 56.999,12 57.499,12 57.999,12 58.499,12 58.999,12 59.499,12 59.999,12 60.499,12 60.999,12 61.499,12 61.999,12 62.499,12 62.999,12 63.499,12 63.999,12 64.499,12 65.999,12 66.499,12 66.999,12 67.499,12 67.999,12 68.499,12 68.999,12 69.499,12 69.999,12 70.499,12 70.999,12 71.499,12 71.999,12 72.499,12 74.499,12 74.999,12 75.499,12 75.999,12 76.499,12 76.999,12 77.499,12 77.999,12 78.499,12 78.999,12 79.499,12 79.999,12 80.499,12 80.999,12 81.499,12 81.999,12 82.499,12 82.999,12 83.499,12 83.999,12 84.499,12 84.999,12 85.499,12 85.999,12 86.499,12 86.999,12 89.999,12 90.499,12 94.999,12 95.499,12 95.999,12 96.499,12 96.999,12 97.499,12 97.999,12 98.499,12 56.749,12.5 57.249,12.5 57.749,12.5 58.249,12.5 58.749,12.5 59.249,12.5 59.749,12.5 60.249,12.5 60.749,12.5 61.249,12.5 61.749,12.5 62.249,12.5 62.749,12.5 63.249,12.5 63.749,12.5 64.249,12.5 65.749,12.5 66.249,12.5 66.749,12.5 67.249,12.5 67.749,12.5 68.249,12.5 68.749,12.5 69.249,12.5 69.749,12.5 70.249,12.5 70.749,12.5 71.249,12.5 71.749,12.5 72.249,12.5 72.749,12.5 74.249,12.5 74.749,12.5 75.249,12.5 75.749,12.5 76.249,12.5 76.749,12.5 77.249,12.5 77.749,12.5 78.249,12.5 78.749,12.5 79.249,12.5 79.749,12.5 80.249,12.5 80.749,12.5 81.249,12.5 81.749,12.5 82.249,12.5 82.749,12.5 83.249,12.5 83.749,12.5 84.249,12.5 84.749,12.5 85.249,12.5 85.749,12.5 86.249,12.5 86.749,12.5 90.249,12.5 94.749,12.5 95.249,12.5 95.749,12.5 96.249,12.5 96.749,12.5 97.249,12.5 97.749,12.5 98.249,12.5 56.499,13 56.999,13 57.499,13 57.999,13 58.499,13 58.999,13 59.499,13 59.999,13 60.499,13 60.999,13 61.499,13 61.999,13 62.499,13 62.999,13 63.499,13 63.999,13 64.499,13 65.999,13 66.499,13 66.999,13 67.499,13 67.999,13 68.499,13 68.999,13 69.499,13 69.999,13 70.499,13 70.999,13 71.499,13 71.999,13 72.499,13 74.499,13 74.999,13 75.499,13 75.999,13 76.499,13 76.999,13 77.499,13 77.999,13 78.499,13 78.999,13 79.499,13 79.999,13 80.499,13 80.999,13 81.499,13 81.999,13 82.499,13 82.999,13 83.499,13 83.999,13 84.499,13 84.999,13 85.499,13 85.999,13 86.499,13 86.999,13 89.999,13 90.499,13 90.999,13 91.499,13 91.999,13 92.499,13 92.999,13 93.499,13 93.999,13 94.499,13 94.999,13 95.499,13 95.999,13 96.499,13 96.999,13 97.499,13 97.999,13 98.499,13 56.749,13.5 57.249,13.5 57.749,13.5 58.249,13.5 58.749,13.5 59.249,13.5 59.749,13.5 60.249,13.5 60.749,13.5 61.249,13.5 61.749,13.5 62.249,13.5 62.749,13.5 63.249,13.5 63.749,13.5 64.249,13.5 65.749,13.5 66.249,13.5 66.749,13.5 67.249,13.5 67.749,13.5 68.249,13.5 68.749,13.5 69.249,13.5 69.749,13.5 70.249,13.5 70.749,13.5 71.249,13.5 71.749,13.5 72.249,13.5 72.749,13.5 74.249,13.5 74.749,13.5 75.249,13.5 75.749,13.5 76.249,13.5 76.749,13.5 77.249,13.5 77.749,13.5 78.249,13.5 78.749,13.5 79.249,13.5 79.749,13.5 80.249,13.5 80.749,13.5 81.249,13.5 81.749,13.5 82.249,13.5 82.749,13.5 83.249,13.5 83.749,13.5 84.249,13.5 84.749,13.5 85.249,13.5 85.749,13.5 86.249,13.5 86.749,13.5 90.249,13.5 90.749,13.5 91.249,13.5 91.749,13.5 92.249,13.5 92.749,13.5 93.249,13.5 93.749,13.5 94.249,13.5 94.749,13.5 95.249,13.5 95.749,13.5 96.249,13.5 96.749,13.5 97.249,13.5 97.749,13.5 98.249,13.5 56.499,14 56.999,14 57.499,14 57.999,14 58.499,14 58.999,14 59.499,14 59.999,14 60.499,14 60.999,14 61.499,14 61.999,14 62.499,14 62.999,14 63.499,14 63.999,14 64.499,14 65.999,14 66.499,14 66.999,14 67.499,14 67.999,14 68.499,14 68.999,14 69.499,14 69.999,14 70.499,14 70.999,14 71.499,14 71.999,14 72.499,14 74.499,14 74.999,14 75.499,14 75.999,14 76.499,14 76.999,14 77.499,14 77.999,14 78.499,14 78.999,14 79.499,14 79.999,14 80.499,14 80.999,14 81.499,14 81.999,14 82.499,14 82.999,14 83.499,14 83.999,14 84.499,14 84.999,14 85.499,14 85.999,14 86.499,14 86.999,14 87.499,14 87.999,14 88.999,14 89.499,14 89.999,14 90.499,14 90.999,14 91.499,14 91.999,14 92.499,14 92.999,14 93.499,14 93.999,14 94.499,14 94.999,14 95.499,14 95.999,14 96.499,14 96.999,14 97.499,14 97.999,14 98.499,14 74.249,14.5 74.749,14.5 75.249,14.5 75.749,14.5 76.249,14.5 76.749,14.5 77.249,14.5 77.749,14.5 78.249,14.5 78.749,14.5 79.249,14.5 79.749,14.5 80.249,14.5 80.749,14.5 81.249,14.5 81.749,14.5 82.249,14.5 82.749,14.5 83.249,14.5 83.749,14.5 84.249,14.5 84.749,14.5 85.249,14.5 85.749,14.5 86.249,14.5 86.749,14.5 87.249,14.5 87.749,14.5 89.249,14.5 89.749,14.5 90.249,14.5 90.749,14.5 91.249,14.5 91.749,14.5 92.249,14.5 92.749,14.5 93.249,14.5 93.749,14.5 94.249,14.5 94.749,14.5 95.249,14.5 95.749,14.5 96.249,14.5 96.749,14.5 97.249,14.5 97.749,14.5 98.249,14.5